# KiCad board RBCX.kicad_pcb (continued)
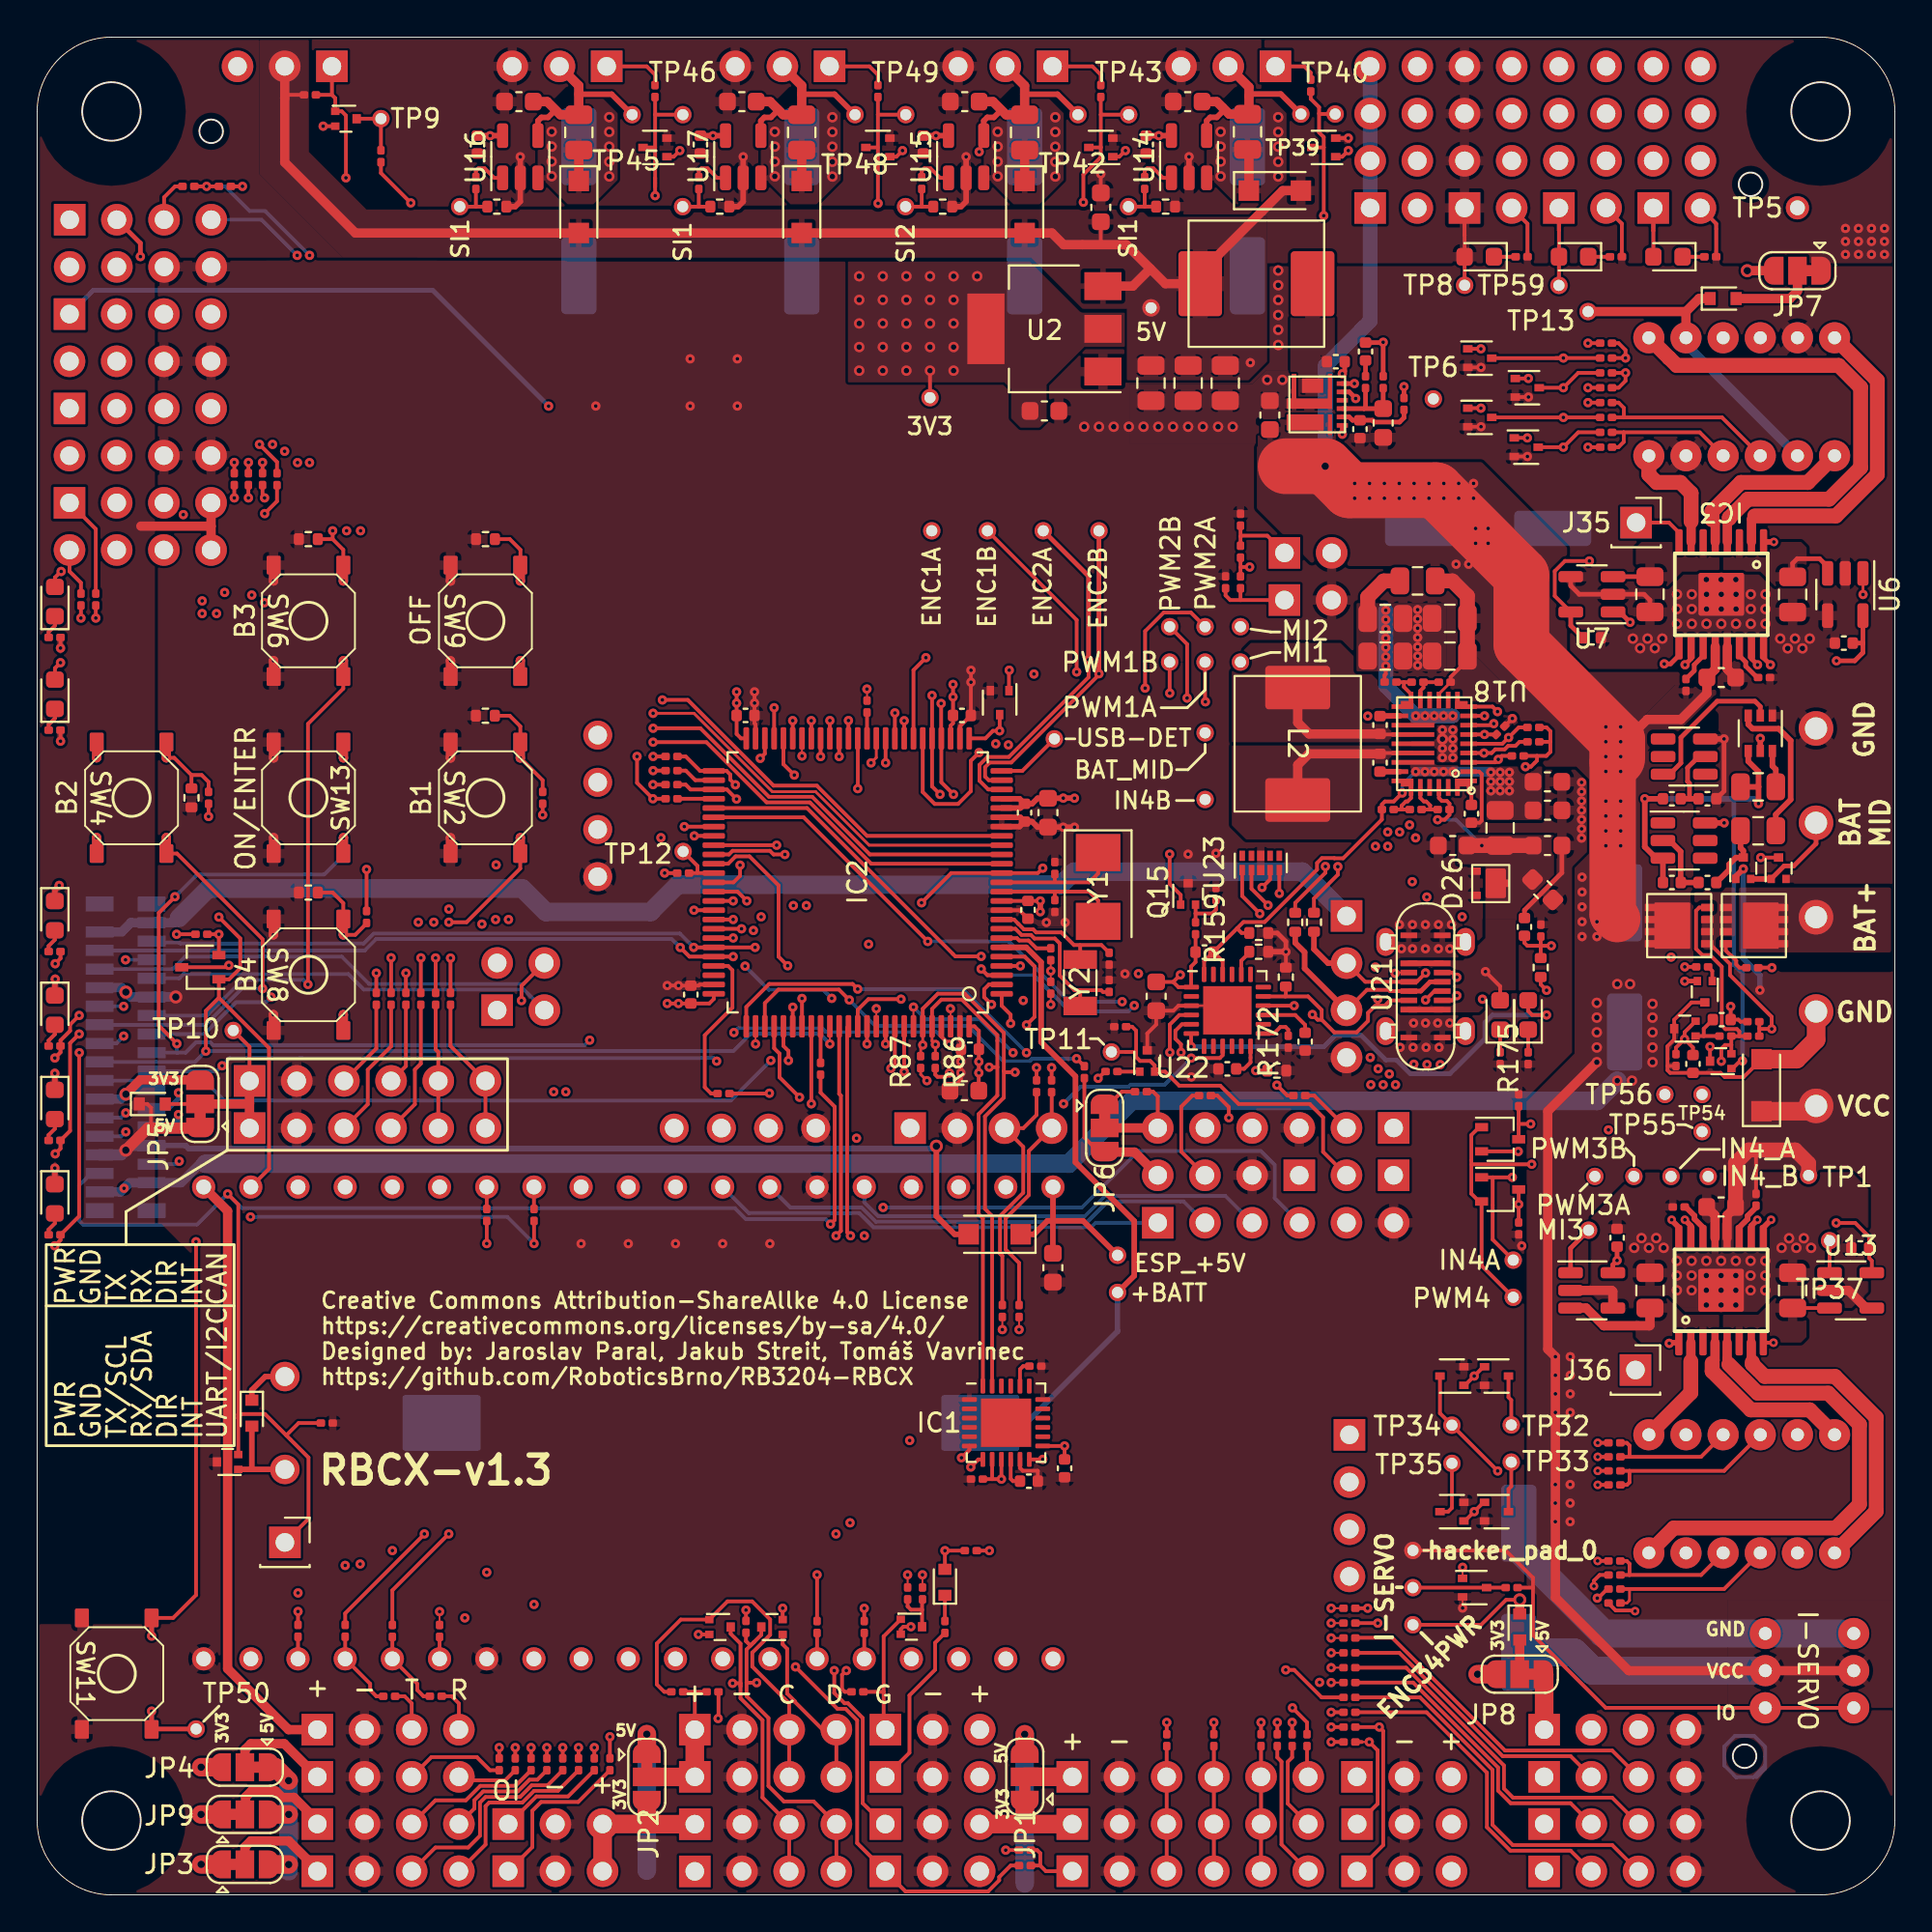
[diagram p0: board, top side]
## Nets (continued)
/Power/Battery Manager/NTC: J51.1 R151.2 R154.1 U18.9 U18.10
/Power/Battery Manager/PWRON: Q11.2 Q14.2 R163.2 R166.2 TP55.P$1
/Power/Battery Manager/PWRSW: C75.2 Q8.1 R166.1
/Power/Battery Manager/TS/IMON: J52.1 R152.2 R157.1 U18.7
/Servos/Classic Sevo 1/SERVO: J37.1 R112.1
/Servos/Classic Sevo 1/SERVO-PWR: C44.1 J37.2 R111.1 TP39.P$1 U14.4
/Servos/Classic Sevo 1/SERVO_PWR: C41.1 D14.1 R111.2 U14.3
/Servos/Classic Sevo 2/SERVO: J38.1 R115.1
/Servos/Classic Sevo 2/SERVO-PWR: C48.1 J38.2 R114.1 TP42.P$1 U15.4
/Servos/Classic Sevo 2/SERVO_PWR: C45.1 D16.1 R114.2 U15.3
/Servos/Classic Sevo 3/SERVO: J40.1 R121.1
/Servos/Classic Sevo 3/SERVO-PWR: C56.1 J40.2 R120.1 TP48.P$1 U17.4
/Servos/Classic Sevo 3/SERVO_PWR: C53.1 D20.1 R120.2 U17.3
/Servos/Classic Sevo 4/SERVO: J39.1 R118.1
/Servos/Classic Sevo 4/SERVO-PWR: C52.1 J39.2 R117.1 TP45.P$1 U16.4
/Servos/Classic Sevo 4/SERVO_PWR: C49.1 D18.1 R117.2 U16.3
/Servos/ISERVO: JP10.1 JP11.1 R142.1 TP3.P$1
/Servos/SERVO_1: D15.3 IC2.63 R112.2 TP40.P$1
/Servos/SERVO_2: D17.3 IC2.64 R115.2 TP43.P$1
/Servos/SERVO_3: D21.3 IC2.65 R121.2 TP49.P$1
/Servos/SERVO_4: D19.3 IC2.66 R118.2 TP46.P$1
/Servos/SI1: C43.1 IC2.18 R110.2 TP38.P$1
/Servos/SI2: C47.1 IC2.17 R113.2 TP41.P$1
/Servos/SI3: C55.1 IC2.16 R119.2 TP47.P$1
/Servos/SI4: C51.1 IC2.15 R116.2 TP44.P$1
/SPI_~{SS3}/TDO: IM3.23 J25.4 R6.1 R40.1
/STM connecors/STM-UART-RX: J44.4 R129.2
/STM connecors/STM-UART-TX: J44.3 R128.2
/STM connecors/STM_UART_PWR: J44.1 JP9.2
/STM connecors/UTS1-ECHO: J41.3 R123.2
/STM connecors/UTS1-TRIG: J41.2 R122.2
/STM connecors/UTS2-ECHO: J43.3 R127.2
/STM connecors/UTS2-TRIG: J43.2 R126.2
/STM connecors/UTS3-ECHO: J45.3 R131.2
/STM connecors/UTS3-TRIG: J45.2 R130.2
/STM connecors/UTS4-ECHO: J46.3 R133.2
/STM connecors/UTS4-TRIG: J46.2 R132.2
/STM_AIO1: IC2.29 R124.1 R145.2
/STM_AIO2: IC2.30 R125.2 R146.1
/STM_SPI_MISO: IC2.53 R6.2 R51.1
/STM_SPI_~{CS}: IC2.51 R1.2 R50.1
/USB-PD/AP-3V3: C81.2 U22.12
/USB-PD/USB_CC1: J50.2 R177.1 U21.A5 U22.17 U23.5
/USB-PD/USB_CC2: J50.4 R176.1 U21.B5 U22.16 U23.4
/USB-PD/USB_SBU1: J50.1 U21.A8
/USB-PD/USB_SBU2: J50.3 U21.B8
/USB_DM: IC2.70 J49.2 R145.1 U21.A7 U21.B7 U23.2 X2.28
/USB_DP: IC2.71 J49.3 R146.2 U21.A6 U21.B6 U23.1 X2.27
/User interface/BUTTON-1: C10.1 J31.1 R57.2 SW1.1 SW2.1 X2.18
/User interface/BUTTON-2: C11.1 J31.3 R60.2 SW3.1 SW4.1 X2.19
/User interface/BUTTON-3: C12.1 J31.5 R66.2 R76.2 SW5.1 SW6.1 X2.20
/User interface/BUTTON-4: C13.1 J31.7 R69.2 SW7.1 SW8.1 X2.21
/User interface/BUTTON-OFF: C14.1 J33.1 R74.2 SW9.1 SW10.1 X2.17
/User interface/BUZZER-: B1.- D3.2 Q5.1
/User interface/BUZZER-GATE: J29.1 Q5.2 R62.2 R64.1 X2.3
/User interface/ESP-EN: J33.5 R78.2
/User interface/LED1: IC2.32 R56.1 R58.1 R70.1
/User interface/LED2: IC2.67 R59.1 R61.1 R71.1
/User interface/LED3: IC2.68 R63.1 R65.1 R72.1
/User interface/LED4: IC2.69 R67.1 R68.1 R73.1
/User interface/LED-1: J30.1 R70.2 X2.7
/User interface/LED-2: J30.3 R71.2 X2.8
/User interface/LED-3: J30.5 R72.2 X2.9
/User interface/LED-4: J30.7 R73.2 X2.10
/User interface/LED_1: D33.2 R56.2
/User interface/LED_1B: D34.2 R58.2
/User interface/LED_2: D35.2 R59.2
/User interface/LED_2B: D36.2 R61.2
/User interface/LED_3: D37.2 R63.2
/User interface/LED_3B: D38.2 R65.2
/User interface/LED_4: D39.2 R67.2
/User interface/LED_4B: D40.2 R68.2
/VUSB: C62.1 C63.1 C64.1 C77.1 C79.1 D26.3 D41.2 D42.2 J49.1 R143.1 R147.1 R159.2 U18.28 U21.A4 U21.A9 U21.B4 U21.B9 U22.1 X2.29 X2.30
Net-(C1-Pad1): C1.1 U1.6
Net-(C1-Pad2): C1.2 L1.1 U1.10
Net-(C3-Pad2): C3.2 R10.2
Net-(C7-Pad1): C7.1 R8.1 U1.5
Net-(C23-Pad2): C23.2 IC1.10
Net-(C24-Pad2): C24.2 IC1.20
Net-(C32-Pad1): C32.1 IC3.11
Net-(C33-Pad2): C33.2 IC3.14
Net-(C37-Pad1): C37.1 IC4.11
Net-(C38-Pad2): C38.2 IC4.14
Net-(C59-Pad1): C59.1 U18.23
Net-(C59-Pad2): C59.2 L2.1 U18.21
Net-(C65-Pad1): C65.1 R144.2 U18.24 U18.25
Net-(C65-Pad2): C65.2 R147.2 U18.26
Net-(C66-Pad1): C66.1 R148.1 U18.15 U18.16
Net-(C66-Pad2): C66.2 R149.1 U18.14
Net-(C67-Pad1): C67.1 U18.17
Net-(C67-Pad2): C67.2 L2.2 U18.19
Net-(C68-Pad1): C68.1 C69.1 R148.2 R150.1 U18.18
Net-(C72-Pad1): C72.1 U18.1 U18.30
Net-(C76-Pad1): C76.1 Q8.2 R169.1 R170.1 R171.1 TP56.P$1
Net-(C80-Pad1): C80.1 U22.20
Net-(C82-Pad2): C82.2 U22.15
Net-(C83-Pad2): C83.2 R160.1 U20.2
Net-(C84-Pad2): C84.2 R161.1 U19.2
Net-(D1-Pad1): D1.1 R38.1
Net-(D4-Pad2): D4.2 JP7.2
Net-(D9-Pad2): D9.2 JP8.2
Net-(D27-Pad1): D27.1 R12.2
Net-(D28-Pad1): D28.1 R13.2
Net-(D29-Pad1): D29.1 R14.1
Net-(D30-Pad1): D30.1 R15.1
Net-(D31-Pad1): D31.1 R16.2
Net-(D32-Pad1): D32.1 R17.2
Net-(D41-Pad1): D41.1 R173.2
Net-(D42-Pad1): D42.1 R174.2
Net-(D43-Pad1): D43.1 R175.2
Net-(D43-Pad2): D43.2 D44.2 U22.6
Net-(D44-Pad1): D44.1 R178.2
Net-(D45-Pad1): D45.1 R138.2
Net-(D46-Pad1): D46.1 R139.2
Net-(D47-Pad1): D47.1 R181.2
Net-(D48-Pad1): D48.1 R182.2
Net-(J42-Pad1): J42.1 R124.2
Net-(J42-Pad2): J42.2 R125.1
Net-(Q6-Pad1): Q6.1 R76.1
Net-(Q7-Pad1): Q7.1 R168.2
Net-(Q9-Pad3): Q9.3 R160.2 R162.1
Net-(Q10-Pad3): Q10.3 Q11.3
Net-(Q12-Pad2): Q12.2 R164.2
Net-(Q13-Pad2): Q13.2 U19.6
Net-(Q13-Pad3): Q13.3 R162.2
Net-(Q13-Pad5): Q13.5 U20.6
Net-(Q13-Pad6): Q13.6 R167.2
Net-(Q15-Pad2): Q15.2 R159.1 R180.2
Net-(R8-Pad2): R8.2 U1.1
Net-(R10-Pad1): R9.1 R10.1 R11.1 U1.4
Net-(R110-Pad1): R110.1 U14.1
Net-(R113-Pad1): R113.1 U15.1
Net-(R116-Pad1): R116.1 U16.1
Net-(R119-Pad1): R119.1 U17.1
Net-(R151-Pad1): R151.1 R152.1 U18.8
Net-(R153-Pad1): R153.1 U18.6
Net-(R172-Pad2): R172.2 U22.13
Net-(TP6-PadP$1): TP6.P$1 U1.2

Pads without a net: IC1 2 3 4 5 14 15 16 17 19 21 22 25; IC2 73; IM3 16 17 18 20 21 22; U1 3; U18 11 13 27 29; U19 1 4 5; U20 1 4 5; U21 0; U22 2 7 8 10 11 14 18 19 21 23; U23 6 7 9 10; X2 M1 M2 M3 M4

## Via types
v1: diameter 0.5, hole 0.2, Top to Bottom, 637 vias
v2: diameter 0.7, hole 0.4, Top to Bottom, 17 vias
v3: diameter 0.56, hole 0.3, Top to Bottom, 163 vias
v4: diameter 0.6, hole 0.3, Top to Bottom, 1 via
v5: diameter 0.46, hole 0.2, Top to Bottom, 13 vias

## Routing (per net, layer and track width the routed paths; a pad name or vN(x,y) marks a point on that pad's centre or on a via; arc(x,y) is an arc through that point)
+3.3V: length 126.2
  Top w0.1: R169.2 v1(54.56,47.92) ; R31.2 v1(46.86,17.23) ; 1.28,71.25 1.21,71.25 ; D13.1 76.86,20.13 ; D23.1 v1(76.73,17.63) ; 77.86,21.13 D11.1 ; 77.86,28.43 D10.1 ; D12.1 76.86,27.43
  Top w0.2: IC2.11 C15.2 v1(54,53.5) ; 81.92,89.61 81.91,89.61 J2.1 ; 81.92,89.61 81.92,90.53 ; 81.92,89.61 81.92,88.18 ; v1(33.92,47.98) v1(34.52,47.98) 36.18,47.98 36.42,48.22 IC2.75 ; v1(52.33,65.92) 52.31,65.91 D24.1 ; 33.91,93.56 34.26,93.56 v1(34.59,93.89) ; v1(80.12,60.73) 80.41,60.73 80.74,61.06 80.74,61.31 ; v1(10.32,50.04) 10.22,49.93 U3.3 ; R100.1 v5(84.01,24.33) ; C20.1 50.69,44.24 v1(50.69,44.25) v1(50.69,44.85) C16.2 50.69,46.51 50.45,46.75 IC2.100 ; Q3.2 46.49,14.29 46.63,14.43 v1(47.03,14.43) ; R102.1 84.59,15.69 84.97,15.31 85.98,15.31 v5(86.02,15.27) ; R28.2 v1(38.16,15.33) ; 77.86,21.13 v1(77.36,20.63) 76.86,20.13 ; D21.1 46.25,93.56 v1(46.58,93.89) ; IC1.13 v1(55.31,24.16) C22.2 ; IC2.50 37.89,62.25 37.65,62.49 C18.2 v1(37.65,64.15) v1(37.65,64.76) ; D7.1 v1(77.72,80.03) ; R81.2 v1(54.61,44.53) ; U13.5 98.76,34.13 98.62,34.27 C40.2 98.62,35.42 97.87,36.17 v1(96.84,36.17) ; R101.2 v5(84.01,22.07) ; 81.46,62.07 81.46,61.53 81.24,61.31 80.74,61.31 ; 81.46,62.07 81.46,62.64 81.25,62.84 R158.2 ; 81.46,62.07 R85.2 ; TP59.P$1 81.92,88.18 ; IC1.9 v1(51.91,22.38) 51.41,22.38 ; R103.2 v5(84,17.97) ; 80.74,61.31 R84.2 ; 53.49,2.41 53.83,2.41 54,2.24 54,1.58 ; J18.1 54.3,1.27 54,1.58 ; C21.1 51.41,22.38 ; 51.41,22.38 IC1.8 ; R80.2 v1(53.8,44.53) ; JP5.3 8.76,43.87 7.74,43.87 ; D15.1 70.25,93.56 v1(70.58,93.89) ; R91.2 v1(83.48,77.93) ; D17.1 58.25,93.56 v1(58.58,93.89) ; D5.1 v1(77.72,83.22) ; R75.1 v1(11.05,91.97) ; U7.5 81.69,69.92 81.69,71.25 82.24,71.8 v1(83.56,71.8) ; 70.32,8.23 v1(69.66,8.23) ; D8.1 v1(80.22,78.43) ; R30.2 v1(51.26,18.53) ; R89.2 v1(83.48,81.13) ; D31.2 0.96,70.91 1.21,71.16 ; 53.49,1.58 54,1.58 ; 81.91,88.46 81.91,88.46 ; v1(40.13,15.43) Q2.2 ; R88.1 v1(83.48,83.53) ; 70.32,9.03 v1(69.66,9.03) ; 76.86,27.43 77.86,28.43 ; D6.1 v1(80.27,81.63) ; Q1.2 v1(35.6,14.02) ; v1(83.48,80.33) R90.1 ; TP4.P$1 v3(48.06,82.05) ; v1(49.3,65.16) v1(49.3,64.48) C19.2 49.3,63.07 49.17,62.94 IC2.28
  Top w0.25: C39.1 v1(85.05,34.15) 84.82,33.92 U12.5 ; C34.1 98.27,67.38 98.28,67.37 ; 98.28,67.37 98.28,66.87 97.84,66.43 v1(96.86,66.43) ; 98.28,67.37 U6.5 ; C35.2 82.55,68.33 U7.5
  Top w0.3: v1(87.86,29.69) 87.89,29.72 IC4.1 ; IC2.21 52.92,58.5 C25.2 ; C42.2 v1(60.38,94.7) 61.05,94.7 U14.5 ; C25.2 53.56,58.73 53.85,59.03 C26.1 55.23,59.03 v1(55.24,59.04) 55.83,59.04 v1(55.84,59.03) ; C25.2 52.88,59 IC2.22 ; 47.7,94.7 v1(48.38,94.7) 49.05,94.7 U15.5 ; IC3.1 v5(93.49,72.83) ; v1(54,52.92) v1(54,53.5) ; U17.5 37.05,94.7 v1(36.38,94.7) 35.7,94.7 ; U16.5 25.05,94.7 v1(24.38,94.7) 23.7,94.7
  Top w0.5: JP7.3 v2(92.06,87.43) ; 8.6,43.87 5.55,43.87 v2(4.78,43.1)
  Top w1: 32.82,3.83 32.79,3.8 J17.1 ; 32.82,3.83 JP2.3 ; 32.82,3.83 32.8,3.81 J16.3 J10.3 ; 9.88,6.87 8.83,6.87 ; 53.06,3.81 53.16,3.91 JP1.1 ; 53.06,3.81 J19.3 ; 53.06,3.81 55.72,3.81 J12.1 ; 30.32,1.27 30.32,1.27 ; 9.88,1.64 8.83,1.64 ; v2(8.82,4.33) 9.88,4.33 ; JP8.3 v2(77.54,11.88)
  Bottom w0.1: 1.28,71.25 1.21,71.25
  Bottom w0.2: 81.92,89.72 81.92,90.53 ; 81.92,89.72 81.91,89.72 J2.1 ; 81.92,89.72 81.92,88.18 ; D47.2 81.92,86.64 TP59.P$1 ; D31.2 0.96,70.91 1.21,71.16
  Bottom w0.5: X2.11 4.51,42.84 v2(4.78,43.1) 5.01,43.34 X2.12
  vias: v1(1.29,71.24) v1(77.36,27.93) v2(8.83,6.87) v2(8.83,1.64) v3(44.25,87.13) v3(44.25,85.86) v3(44.25,84.59) v3(44.25,83.32) v3(44.25,82.05) v3(45.52,87.13) v3(45.52,85.86) v3(45.52,84.59) v3(45.52,83.32) v3(45.52,82.05) v3(46.79,87.13) v3(46.79,85.86) v3(46.79,84.59) v3(46.79,83.32) v3(46.79,82.05) v3(48.06,87.13) v3(48.06,85.86) v3(48.06,84.59) v3(48.06,83.32) v3(49.33,87.13) v3(49.33,85.86) v3(49.33,84.59) v3(49.33,83.32) v3(49.33,82.05) v3(50.6,87.13)
+5V: length 217.9
  Top w0.2: 76.84,89.33 76.84,90.53 ; 76.84,89.33 76.84,88.18 ; 76.84,89.33 76.84,89.34 J3.1 ; 57.46,88.84 57.26,89.04 C8.1 ; JP5.1 8.76,41.27 7.88,41.27 ; 76.84,88.46 76.83,88.46 ; TP8.P$1 76.84,88.18 ; 13.33,96.7 13.52,96.89 R41.2 ; D2.1 5.93,42.57 6.13,42.37 6.13,41.44 5.96,41.27
  Top w0.25: C3.1 72.44,83.56 v1(72.46,83.58) R9.2
  Top w0.3: B1.+ 12.28,27.9 11.56,27.18 D3.1 ; D22.2 49.39,35.56 48.4,36.54 v2(48.4,40.3)
  Top w0.5: 59.92,87.54 60.73,86.73 L1.2 62.61,87.3 67.05,91.74 D14.2 ; 59.92,87.54 58.63,88.83 55.26,88.83 54.63,89.46 D16.2 D18.2 17.13,89.46 13.33,93.26 J21.2 ; 59.92,87.54 58.98,86.6 U2.3 ; J42.8 9.36,73.68 ; 9.36,73.68 5.58,73.68 ; 9.36,73.68 J42.7
  Top w0.6: v2(4.77,40.08) 5.96,41.27 8.6,41.27
  Top w1: J46.1 81.12,11.86 JP8.1 ; JP4.3 13.53,4.33 ; JP2.1 v2(32.82,8.65) ; v2(13.54,6.15) 12.81,6.87 JP9.1 ; 12.49,1.64 13.54,1.64 ; 53.16,7.65 v2(53.16,8.64)
  In1.Cu w0.25: v1(72.46,83.58) 71.36,82.48 v1(65.31,82.48)
  In1.Cu w0.5: v2(4.77,40.08) 13.34,31.52 B1.+
  In1.Cu w1: J41.1 J46.1
  Bottom w0.2: TP8.P$1 76.84,88.18 ; 92.55,6.33 93.02,6.79 93.02,7.97 92.42,8.56 91.39,8.56 90.82,7.99 90.82,6.97 91.45,6.33 92.39,6.33 93.02,6.96 ; J3.1 76.84,88.18 D29.2
  Bottom w0.3: X2.6 7.99,40.34 8.16,40.17 48.27,40.17 v2(48.4,40.3)
  Bottom w0.6: X2.6 5.02,40.34 v2(4.77,40.08) 4.52,39.84 X2.5
  Bottom w1: v2(32.82,8.65) 32.82,1.3 ; v2(53.16,8.64) 53.16,0.62 ; v2(13.54,6.15) 13.54,1.27
  vias: v1(97.34,89.7) v1(97.34,89) v1(97.34,88.3) v1(98.04,89.7) v1(98.04,89) v1(98.04,88.3) v1(98.74,89.7) v1(98.74,89) v1(98.74,88.3) v1(99.44,89.7) v1(99.44,89) v1(99.44,88.3) v2(13.54,4.33) v2(13.54,1.63)
/Power/Battery Manager/VBUS_CS: length 23.5
  Top w0.2: C79.2 62.82,50.25 62.82,49.56 ; C79.2 63.82,50.25 63.82,49.56 ; C79.2 64.59,52.02 ; v1(73.48,59.31) 73.03,58.86 72.55,58.86 72.39,58.7 R144.1 72.39,57.88 70.3,55.8 69.83,55.8 69.82,55.81 69.16,55.81 68.9,55.54 68.9,55.19 66.08,52.37 64.94,52.37 64.59,52.02 ; 64.59,52.02 64.84,51.78 C78.1
  Bottom w0.2: v1(73.48,59.31) 73.48,59.74 v1(74.21,60.46)
  Bottom w0.5: v1(74.21,60.46) v1(76.21,60.46) ; 78.22,60.46 v1(78.25,60.43) ; 78.73,59.91 v1(78.75,59.93)
  Bottom w0.55: v1(76.21,60.46) 78.22,60.46
  vias: v1(74.71,60.46) v1(75.21,60.46) v1(75.71,60.46) v1(78.25,59.93) v1(78.25,59.43) v1(78.75,60.43) v1(78.75,59.43) v1(79.25,60.43) v1(79.25,59.93) v1(79.25,59.43)
GND: length 167.2
  Top w0.1: v1(1.26,62.1) 1.26,62.24 ; U22.25 63.82,47.86 62.12,47.86 ; D23.2 v1(76.73,15.44)
  Top w0.2: v1(38.62,64.76) v1(38.62,64.15) 38.61,64.15 38.61,63.07 38.67,63.01 IC2.49 ; IC2.10 52.88,53 C15.1 ; D5.2 v1(77.72,82.22) ; D8.2 v1(80.22,77.43) ; D15.2 v1(70.58,94.56) ; J3.2 80.22,89.96 R14.2 ; IC2.27 49.67,62.9 C19.1 50.26,65.27 v1(50.27,65.28) v1(50.27,65.92) ; C72.2 77.65,57.71 77.76,57.83 77.76,60.33 77.63,60.46 U18.2 ; 87.76,44.62 87.76,44.39 87.9,44.25 C76.2 90.62,44.25 90.84,44.02 91.86,44.02 D25.2 ; 87.76,44.62 87.76,45.68 88.12,46.04 Q8.3 88.12,47.11 89.05,48.04 Q7.3 ; 87.76,44.62 R171.2 ; C23.1 53.87,22.82 53.86,22.83 53.06,22.83 52.91,22.98 IC1.11 ; R13.1 1.26,62.24 ; J2.2 85.3,89.96 R181.1 ; 62.12,47.86 61.43,47.86 61.16,47.59 C77.2 60.24,46.85 59.76,46.37 Q6.3 ; v1(79.41,63.32) 79,62.91 R153.2 ; J48.2 90.38,89.96 R138.1 ; C8.2 v1(57.26,92.64) ; 67.22,49.81 v1(67.22,50.77) ; D6.2 v1(80.28,80.63) ; C20.2 49.73,43.88 v1(49.73,44.25) v1(49.73,44.85) 49.73,44.86 C16.1 49.73,45.94 49.67,46 IC2.99 ; IC2.74 35.67,49 35.61,48.94 C17.1 34.53,48.94 v1(34.52,48.95) v1(33.92,48.95) ; v1(1.26,67.11) R16.1 ; R164.1 v1(93.38,49.91) ; 63.82,47.36 U22.25 ; D7.2 v1(77.72,79.03)
  Top w0.25: C63.2 82.08,55.02 80.06,53 C73.2 ; v1(67.22,50.77) 67.22,51.31 66.76,51.78 C78.2 ; 90.39,59 90.81,59.42 v1(90.81,62.22) ; R97.1 86.82,69.69 86.5,70.01 U7.2 83.01,70.01 82.55,70.47 U7.4
  Top w0.3: C80.2 v1(67.22,50.77) ; IC2.20 52.92,58 C25.1 ; v1(26.01,93.56) U16.2 26.01,91.15 25.73,90.88 C51.2 ; C47.2 49.73,90.88 50.01,91.15 U15.2 v1(50.01,93.56) ; v1(55.84,57.47) v1(55.24,57.47) 55.23,57.48 C26.2 53.85,57.48 53.56,57.77 C25.1 ; v1(1.19,54.34) 0.95,54.1 D34.1 ; D36.1 0.95,49.27 v1(0.97,49.29) 0.96,49.29 0.96,49.3 ; v1(38.01,93.56) U17.2 38.01,91.15 37.73,90.88 C55.2 ; C25.1 52.88,57.5 IC2.19 ; D38.1 v1(0.95,44.22) 0.96,44.23 ; D40.1 v1(0.95,39.12) 0.96,39.13 ; U14.2 v1(62.01,93.56) ; U19.3 v1(90.81,62.22)
  Top w0.5: v1(3.2,56.91) 3.2,56.06 3.2,56.06 ; v1(22.25,70.72) 22.25,71.57 22.25,71.58 ; v1(12.73,70.73) 12.73,71.58 12.73,71.58 ; 12.72,46.53 12.72,46.53 v1(12.72,47.38) ; U13.4 98.45,31.59 97.5,32.54 U13.2 ; U12.2 84.76,32.54 84.82,32.48 U12.4 ; v1(12.72,51.68) 12.72,52.53 12.72,52.53 ; IC4.13 90.32,36.58 C36.1 ; v1(12.73,66.43) 12.73,65.58 12.73,65.58 ; v1(22.25,66.43) 22.25,65.58 22.25,65.58 ; 3.2,62.06 3.2,62.06 v1(3.2,61.21) ; 22.25,62.05 22.25,62.05 v1(22.25,61.2) ; 22.25,56.05 22.25,56.05 v1(22.25,56.9) ; v1(12.73,56.91) 12.73,56.06 SW13.1 ; v1(12.73,61.2) 12.73,62.05 SW13.1 ; IC3.13 90.98,65.98 C31.1
  Top w1: X1.1 95.76,46.03 94.71,44.98 D25.2
  Bottom w0.2: R138.1 90.38,89.68 90.38,89.69 90.38,89.96 J48.2 ; J3.2 80.22,89.96 R14.2 ; v1(1.26,62.1) R13.1 ; v1(1.26,67.11) R16.1 ; R181.1 85.3,89.96 J2.2
  Bottom w0.3: 0.96,39.13 0.95,39.12 D39.1 ; 0.96,49.3 0.95,49.3 D35.1 ; D33.1 0.95,54.1 v1(1.19,54.34) ; D37.1 0.95,44.22 0.96,44.23
  Bottom w0.5: 12.72,52.53 12.72,51.68 v1(12.72,51.68) ; v1(12.73,61.2) 12.73,61.2 SW13.1 ; v1(22.25,61.2) 22.25,61.2 22.25,62.05 ; v1(12.72,47.38) 12.72,47.38 12.72,46.53 ; v1(22.25,56.9) 22.25,56.9 22.25,56.05 ; 22.25,71.58 22.25,70.73 v1(22.25,70.72) ; v1(12.73,66.43) 12.73,66.43 12.73,65.58 ; 12.73,71.58 12.73,70.73 v1(12.73,70.73) ; 3.2,62.06 3.2,61.21 v1(3.2,61.21) ; SW13.1 12.73,56.91 v1(12.73,56.91) ; v2(7.46,48.33) 7.46,48.34 X2.22 5.04,48.34 v2(4.77,48.6) 4.54,48.84 X2.23 ; 3.2,56.06 v1(3.2,56.91) ; 22.25,65.58 22.25,66.43 v1(22.25,66.43)
  Bottom w1.5: 79.76,20 79.76,18.61 84.3,14.07 JP10.3 JP11.3
  vias: v1(29.28,35.05) v1(30.07,80.14) v1(31.82,35.05) v1(34.36,35.05) v1(35.15,82.68) v1(35.15,80.14) v1(36.9,35.05) v1(37.69,82.68) v1(37.69,80.14) v1(39.44,35.05) v1(54.33,52.34) v1(55.34,52.34) v1(58.56,49.58) v1(61.96,56.02) v1(62.13,44.03) v1(63.46,56.07) v1(73.33,52.23) v1(73.37,45.62) v1(73.44,50.93) v1(74.03,52.23) v1(74.03,50.93) v1(74.09,46.93) v1(74.07,45.62) v1(74.31,69.18) v1(74.31,68.68) v1(74.31,68.18) v1(74.31,67.68) v1(74.31,67.18) v1(74.31,66.68) v1(74.31,66.18) v1(74.73,52.23) v1(74.73,50.93) v1(74.74,46.93) v1(74.77,45.62) v1(75.39,46.93) v1(75.43,52.23) v1(75.43,50.93) v1(75.47,45.62) v1(75.65,62.71) v1(75.65,61.71) v1(75.65,61.21) v1(76.04,50.93) v1(76.04,46.93) v1(76.13,52.23) v1(76.21,62.71) v1(76.21,62.21) v1(76.21,61.71) v1(76.21,61.21) v1(79.92,34.93) v1(83.14,59.88) v1(83.14,59.38) v1(83.14,58.88) v1(83.14,58.38) v1(83.14,57.88) v1(83.14,57.38) v1(83.14,56.88) v3(56.36,79.03) v3(57.16,79.03) v3(57.95,79.03) v3(58.76,79.03) v3(59.56,79.03) v3(60.35,79.03) v3(61.14,79.03) v3(61.96,79.03) v3(62.75,79.03) v3(63.57,79.03) v3(64.36,79.03) v3(66.21,81.55) v3(66.81,87.44) v3(66.81,86.65) v3(66.81,85.85) v3(66.81,85.04) v3(66.81,84.25) v3(66.81,83.43) v3(67.03,81.55) v3(85.9,67.62) v3(85.97,34.83) v3(86.29,67.11) v3(86.36,35.35) v3(86.69,67.62) v3(86.76,34.83) v3(87.08,67.11) v3(87.15,35.35) v3(87.48,67.62) v3(87.56,34.83) v3(88.28,70.01) v3(88.28,69.22) v3(88.28,68.42) v3(88.27,34.13) v3(88.27,33.34) v3(88.27,32.54) v3(89.07,70.01) v3(89.07,69.22) v3(89.07,68.42) v3(89.06,34.13) v3(89.06,33.34) v3(89.06,32.54) v3(89.85,70.8) v3(89.86,70.01) v3(89.86,69.22) v3(89.86,68.42) v3(89.85,34.13) v3(89.85,33.34) v3(89.85,32.54) v3(89.85,31.75) v3(90.65,70.8) v3(90.66,70.01) v3(90.66,69.22) v3(90.66,68.42) v3(90.65,34.13) v3(90.65,33.34) v3(90.65,32.54) v3(90.65,31.75) v3(91.44,70.8) v3(91.45,70.01) v3(91.45,69.22) v3(91.45,68.42) v3(91.44,34.13) v3(91.44,33.34) v3(91.44,32.54) v3(91.44,31.75) v3(92.24,70.01) v3(92.24,69.22) v3(92.24,68.42) v3(92.23,34.13) v3(92.23,33.34) v3(92.23,32.54) v3(93.04,70.01) v3(93.04,69.22) v3(93.04,68.42) v3(93.03,34.13) v3(93.03,33.34) v3(93.03,32.54) v3(93.83,67.62) v3(93.9,34.83) v3(94.23,67.1) v3(94.31,35.34) v3(94.62,67.62) v3(94.7,34.83) v3(95.03,67.1) v3(95.1,35.34) v3(95.42,67.62) v3(95.49,34.83) v4(75.65,62.21)
VCC: length 276.7
  Top w0.15: U18.12 75.46,64.65 R149.2
  Top w0.2: 76.99,66.68 76.99,66.46 76.09,65.56 R149.2 ; C37.2 92.53,39.98 92.65,40.1 ; v1(1.26,66.33) 0.96,66.03 D28.2
  Top w0.3: v1(91.84,55.23) 91.44,54.83 Q9.1 ; 95.36,42.54 95.36,42.54
  Top w0.5: IC3.12 90.33,65.98 C31.2 89.88,64.67 88.49,63.27 86.67,63.27 85.06,61.66 85.06,61.18 ; v3(83.96,44.82) 81.32,42.18 81.32,29.38 v1(81.73,28.97) 81.73,16.01 85.67,12.07 JP10.2 JP11.2 ; IC4.12 90.97,36.58 91.42,37.03 ; 85.23,52.35 85.06,52.53
  Top w0.8: 76.99,66.68 76.99,69.92 76.18,70.73 R150.2 ; TP1.P$1 95.36,39.38 94.64,40.1 92.14,40.1 91.42,39.38 91.42,37.03
  Top w1: D25.1 95.48,42.18 X1.2
  Top w2.5: 85.06,52.53 84.81,52.77 84.81,60.94 85.06,61.18
  Top w3: 85.06,61.18 85.06,62.16 79.9,67.32 79.9,71.01 75.3,75.61 70.63,75.61 v2(69.34,76.9) 67.21,76.9
  In1.Cu w0.1: v1(1.26,66.33) 1.67,65.92 1.67,41.04 v1(4.68,38.03)
  Bottom w0.2: v1(1.26,66.33) 0.96,66.03 D28.2
  Bottom w0.3: 91.84,50.4 v1(91.84,55.23) ; 91.84,50.4 92.74,49.51 v1(92.74,48.7) ; 91.84,50.4 92.2,50.05
  Bottom w0.5: 9.06,39.35 8.76,39.35 7.75,38.34 X2.2 4.98,38.34 4.48,37.84 X2.1
  Bottom w0.8: J4.7 J4.5 J4.3 J4.1 71.75,84.73 69.34,82.31 v2(69.34,76.9)
  Bottom w1: v3(85.06,43.83) 83.97,42.74 58.92,42.74 55.54,39.35 9.06,39.35
  Bottom w1.5: JP10.2 83.72,12.07 82.73,13.05 C58.1
  vias: v1(70.92,75.98) v1(70.92,75.18) v1(71.72,75.98) v1(71.72,75.18) v1(72.52,75.98) v1(72.52,75.18) v1(73.32,75.98) v1(73.32,75.18) v1(74.12,75.98) v1(74.12,75.18) v1(74.92,75.98) v1(74.92,75.18) v1(75.72,75.98) v1(75.72,75.18) v1(76.38,71.63) v1(76.52,75.98) v1(76.52,75.18) v1(77.06,71.63) v1(77.32,75.98) v1(77.32,75.18) v1(77.43,73.55) v1(77.43,72.75) v1(78.11,73.55) v1(78.11,72.75) v1(81.73,27.97) v1(81.73,26.97) v1(81.73,25.97) v1(81.72,22.09) v1(81.72,21.09) v1(81.72,20.09) v1(82.53,28.97) v1(82.53,27.97) v1(82.53,26.97) v1(82.53,25.97) v1(82.52,22.09) v1(82.52,21.09) v1(82.52,20.09) v1(83.16,54.78) v1(83.16,53.98) v1(83.16,53.18) v1(83.16,52.38) v1(83.16,51.58) v1(83.96,52.38) v1(83.96,51.58) v1(84.44,62.87) v1(84.44,62.07) v1(84.44,61.27) v1(84.44,60.47) v1(84.44,58.87) v1(84.44,58.07) v1(84.44,57.27) v1(84.44,56.47) v1(85.24,62.87) v1(85.24,62.07) v1(85.24,61.27) v1(85.24,60.47) v1(85.24,58.87) v1(85.24,58.07) v1(85.24,57.27) v1(85.24,56.47) v3(83.96,48.02) v3(83.96,47.22) v3(83.96,46.43) v3(83.96,45.62) v3(85.06,49.03) v3(85.75,49.03) v3(85.85,43.83) v3(86.96,47.96) v3(86.96,47.22) v3(86.96,46.43) v3(86.96,45.62) v3(86.96,44.82)
+BATT: length 34.2
  Top w0.3: TP7.P$1 59.06,33.33 59.06,36.27 55.89,39.43 55.89,44.06 54.04,45.91 54.04,50.2 53.24,51 IC2.6
  Bottom w0.3: TP7.P$1 58.16,30.33 53.23,25.4 BAT1.1
/Auxiliary connectors/CONTROL-DIR: length 6.7
  Top w0.2: J26.5 J28.5 21.59,45.37 21.45,45.51 21.45,47.91
/Auxiliary connectors/CONTROL-INT: length 7.4
  Top w0.2: J26.6 J28.6 22.25,45.69 22.25,47.91
/Auxiliary connectors/CONTROL-RX/SDA: length 7.3
  Top w0.2: 20.65,47.91 20.65,44.74 20.33,44.42 20.33,42.55 J26.4
/Auxiliary connectors/CONTROL-TX/SCL: length 7.7
  Top w0.2: 19.05,47.91 19.05,45.67 17.8,44.42 17.8,42.56 J26.3
/Auxiliary connectors/DEBUG-RX: length 5.4
  Top w0.2: 62.54,43.02 62.18,43.02 61.59,42.43 61.59,40.01 J27.3
/Auxiliary connectors/DEBUG-TX: length 8
  Top w0.2: JP6.3 57.16,39.98 56.37,40.77 R53.2
  Top w0.5: JP6.3 59.07,39.98 J27.4
/Auxiliary connectors/DEBUG_RX: length 29.8
  Top w0.2: IC2.79 39.67,45.57 39.96,45.28 39.96,44.01 v1(41.04,42.93) ; R52.1 63.53,43.02 64.15,42.41 v1(64.15,41.83)
  In2.Cu w0.15: v1(41.04,42.93) 41.11,43.01 62.97,43.01 v1(64.15,41.83)
/Auxiliary connectors/DEBUG_TX: length 20.6
  Top w0.2: v1(55.95,45.01) 55.96,45.01 R53.1 ; v1(43.72,48.17) 43.16,48.73 39.9,48.73 39.17,48 IC2.78
  Bottom w0.2: v1(55.95,45.01) 53.57,45.01 53.44,44.88 52,44.88 50.11,46.78 45.11,46.78 v1(43.72,48.17)
/Auxiliary connectors/ENC3B-SWO: length 1.9
  Top w0.2: R48.2 58.39,43.23 57.74,42.58 JP6.1
/Auxiliary connectors/EXPANDER_COM_PWR: length 11.4
  Top w0.2: J28.1 11.43,45.65 TP10.P$1 ; D2.2 8.6,42.57 ; 10.01,42.57 10,42.58 JP5.2
  Top w0.5: 11.43,42.59 11.41,42.57 8.6,42.57 ; 11.43,42.59 J26.1 ; 11.43,42.59 J28.1
/Auxiliary connectors/STM-CAN-RX: length 4.4
  Top w0.2: J28.4 19.85,44.61 19.85,47.91
/Auxiliary connectors/STM-CAN-TX: length 4.8
  Top w0.2: 18.26,47.91 18.26,45.56 J28.3
/Auxiliary connectors/STM_CAN_RX: length 24.2
  Top w0.2: v1(19.85,49.62) R55.1 ; IC2.81 40.67,47.78 v1(40.68,47.78)
  In2.Cu w0.15: v1(40.68,47.78) 39.63,48.83 37.56,48.83 37,49.39 28.76,49.39 28.15,48.78 20.69,48.78 v1(19.85,49.62)
/Auxiliary connectors/STM_CAN_TX: length 27
  Top w0.2: IC2.82 v1(41.17,48.25) ; v1(18.26,49.62) R54.1
  In2.Cu w0.15: v1(18.26,49.62) 19.08,49.62 19.63,50.16 20.17,50.16 21.29,49.04 28.03,49.04 28.66,49.68 37.12,49.68 37.69,49.11 40.31,49.11 v1(41.17,48.25)
/Auxiliary connectors/SWCLK: length 35.9
  Top w0.2: IC2.76 38.17,47.8 39.41,49.03 43.9,49.03 v1(44.17,48.76) ; R45.1 67.3,43.02 v1(66.74,43.59)
  In2.Cu w0.1: v1(53.26,45.33) 53.5,45.58 56.66,45.58 57.52,44.72 58.11,44.72 59.17,45.77 59.3,45.77 ; 59.3,45.77 61.09,45.77 61.68,46.36 65.33,46.36 66.74,44.95 v1(66.74,43.59) ; 59.3,45.77 59.22,45.77
  Bottom w0.2: v1(44.17,48.76) 49.83,48.76 v1(53.26,45.33)
/Auxiliary connectors/SWCLK_: length 2.9
  Top w0.2: 70.48,41.28 68.74,43.02 R45.2
/Auxiliary connectors/SWDIO: length 8.8
  Top w0.2: R46.1 36.28,43.13 35.94,43.47 35.94,46.27 37.43,47.76 37.43,49.77 37.2,50 IC2.72
/Auxiliary connectors/SWDIO_: length 29.1
  Top w0.2: v1(39.42,43.15) 39.4,43.13 R46.2
  In2.Cu w0.15: J24.4 63.42,43.26 41.72,43.26 41.58,43.4 39.67,43.4 v1(39.42,43.15)
/BUTTON_ON_ORIGINAL: length 160.8
  Top w0.2: 92.08,47.06 92.08,47.07 ; v1(7.42,53.73) 6.55,52.86 6.55,46.79 v1(7.52,45.82) ; v1(91.16,47.82) C75.1 91.58,47.11 91.69,47 R165.1 ; 91.24,47.07 91.23,47.07 91.23,47.13
  Top w0.25: J33.3 5.56,88.91 v1(5.56,88.19) ; v1(88.69,49.18) 88.7,49.19 Q7.2
  Top w0.5: 16.49,56.05 16.49,56.06 v1(16.49,56.91) ; v1(16.49,61.2) 16.49,62.05 16.49,62.05
  In1.Cu w0.2: v1(17.41,73.43) 17.41,64.66 16.49,63.74 v1(16.49,61.2) v1(16.49,56.91)
  In2.Cu w0.1: v1(29.74,46.01) 36.04,46.01 37.57,44.48 45.31,44.48 45.74,44.91 49.13,44.91 50.22,46 60.98,46 61.59,46.6 65.44,46.6 69.29,42.75 72.96,42.75 74.47,44.26 76.3,44.26 78.2,46.17 78.2,48.92 79.78,50.5 82.66,50.5
  In2.Cu w0.15: v1(88.69,49.18) 87.99,49.89 87.87,49.89 87.26,50.5 82.66,50.5
  In2.Cu w0.2: v1(88.69,49.18) 90.05,47.82 v1(91.16,47.82) ; v1(5.56,88.19) 5.56,87.07 6.26,86.37 10.02,86.37 17.41,78.98 v1(17.41,73.43)
  Bottom w0.2: v1(29.74,46.01) 29.48,45.74 9.47,45.74 9.32,45.89 8.54,45.89 7.99,45.34 7.52,45.34 ; 7.52,45.34 7.53,45.34 ; 7.52,45.34 X2.16 ; 7.52,45.34 7.52,45.34 v1(7.52,45.82) ; SW13.2 16.48,55.95 15.46,54.93 8.62,54.93 v1(7.42,53.73)
  Bottom w0.5: v1(16.49,61.2) 16.49,61.2 16.49,62.05 ; v1(16.49,56.91) 16.49,56.91 16.49,56.05
/Connectors/ESP-I2C-PWR: length 12.2
  Top w0.2: R32.2 43.47,10.93 43.33,11.07 43.33,11.84 v1(43.56,12.07) ; 35.4,10.93 R29.2 ; 35.4,10.93 J9.1 ; 35.4,10.93 R19.2